# Altium PCB PCB_V2_2023-02-25.pcbdoc
Units mm, origin at the board's own origin, x right, y up, seen from the top; angles counter-clockwise.
Board outline 121.23 x 103.95 mm, 2 copper layers (Top Layer, Bottom Layer); 20 components, 45 nets, 122 pads, 3 vias.
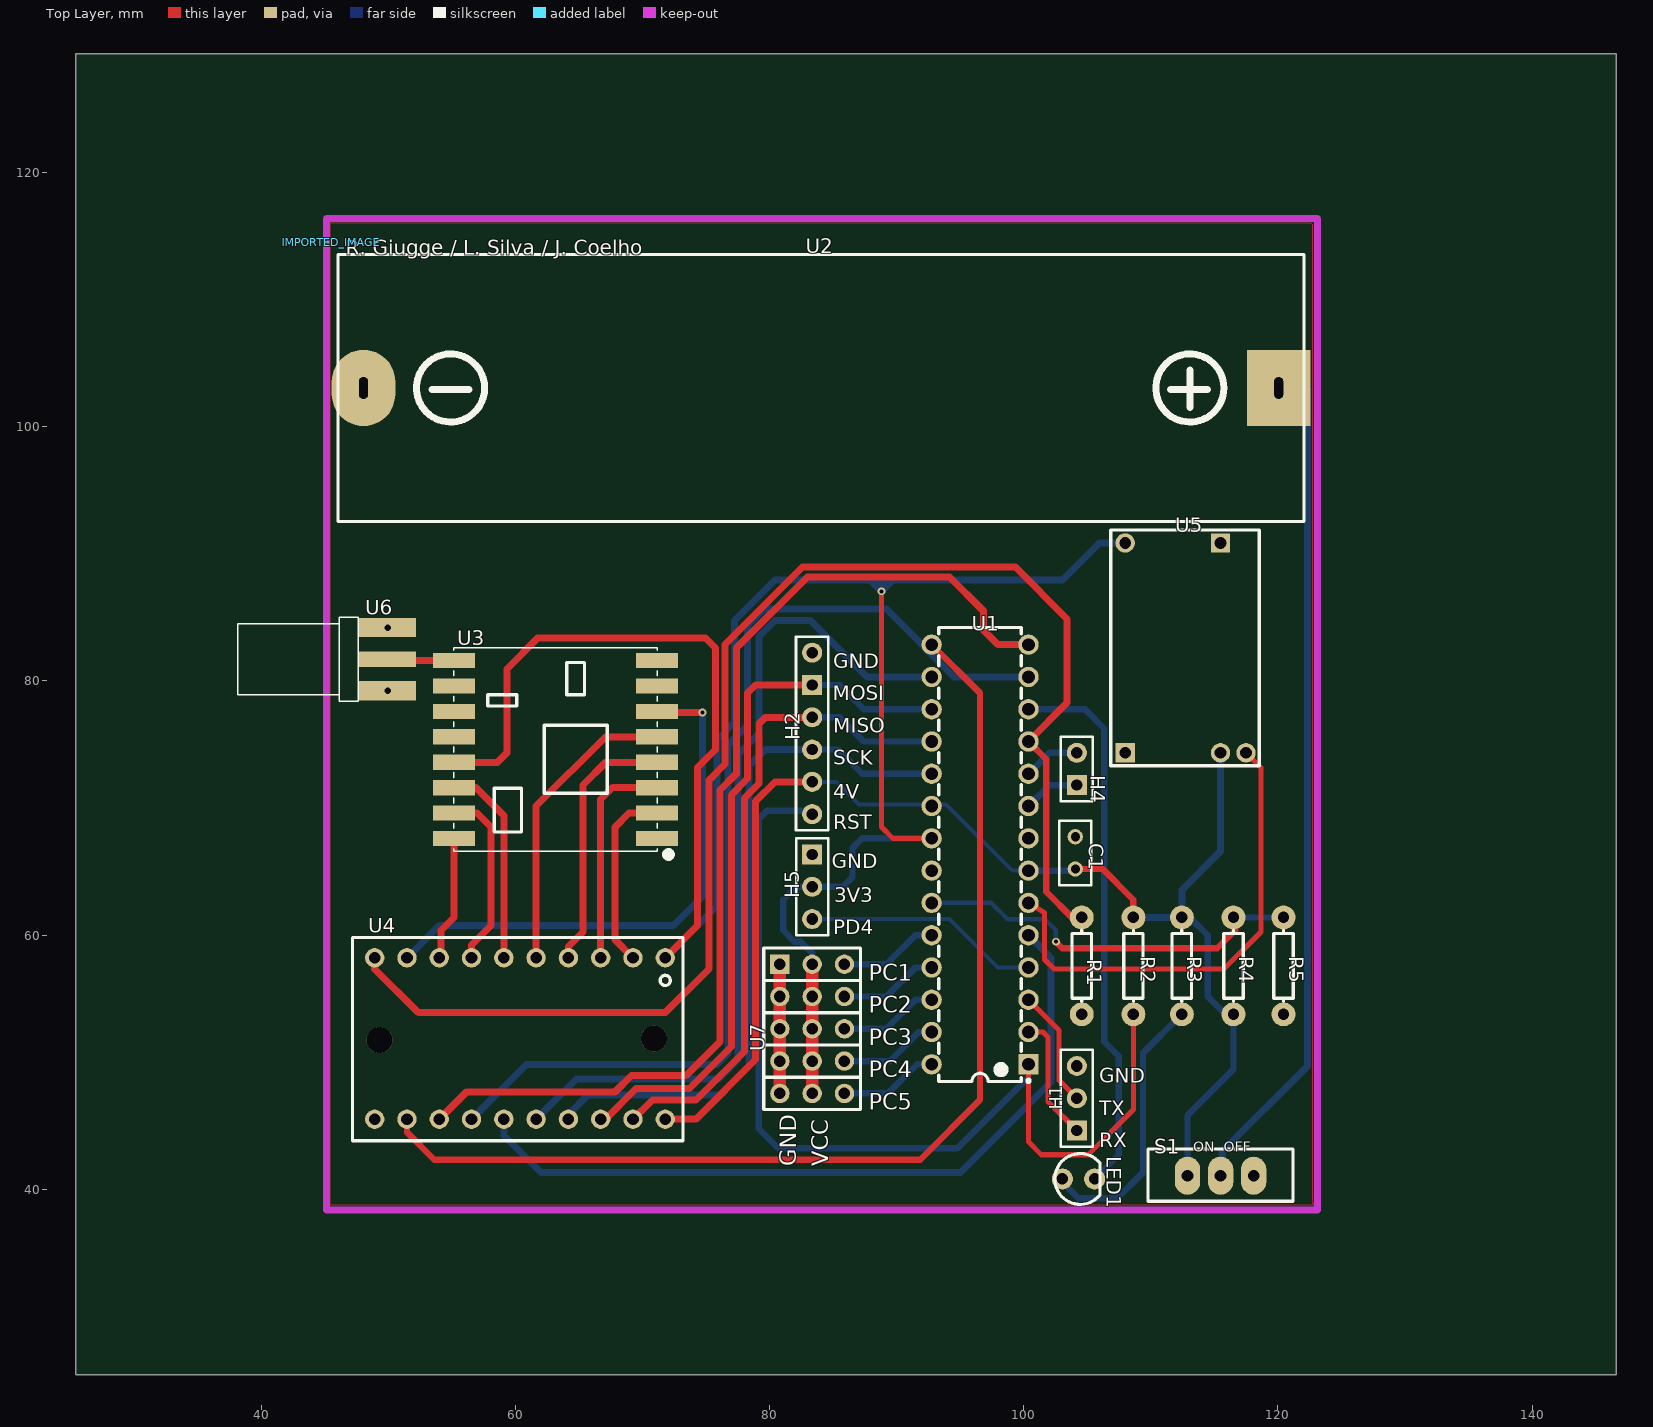
[diagram p0: Top Layer view]
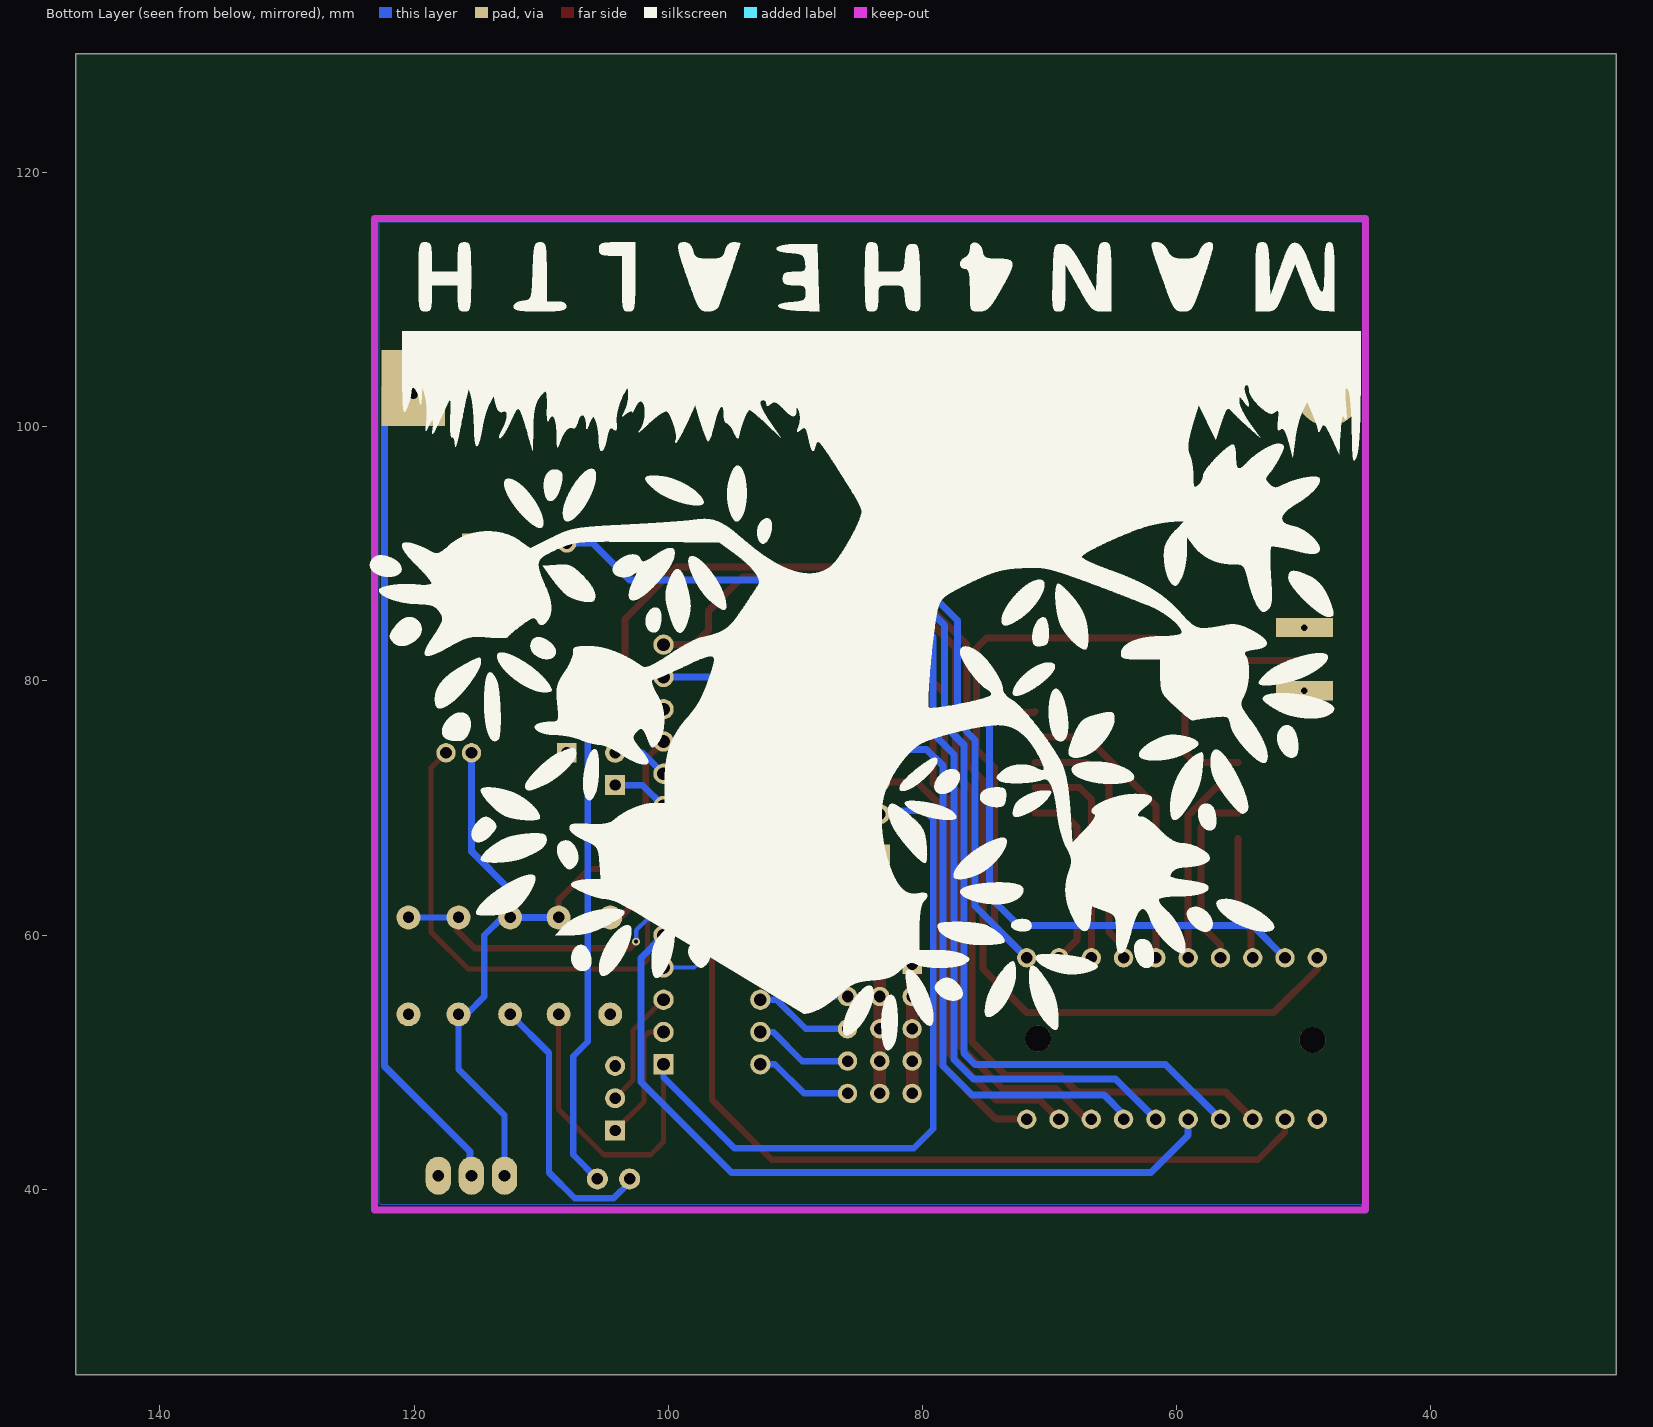
[diagram p1: Bottom Layer view, seen from below]

## Layer stack, top to bottom
Top Layer: signal copper (thickness not stored)
Dielectric: dielectric 0.32, FR-4, Dk 4.8
Bottom Layer: signal copper (thickness not stored)

## Board outline
146.628,25.4 25.4,25.4 25.4,129.35 146.628,129.35

## Components (designator, comment, footprint, x,y, rotation, side; value= is the part's Value field where it differs from the comment)
C1 "100n" RAD-0.1 104.052,66.464 r90 top
H1 "HDR-F-2.54_1x3" HDR-F-2.54_1X3 104.179,47.16 r90 top
H2 "HDR-F-2.54_1x6" HDR-F-2.54_1X6 83.351,77.132 r270 top
H4 "HDR-F-2.54_1x2" HDR-F-2.54_1X2 104.179,73.068 r90 top
H5 "DHT22" HDR-F-2.54_1X3 83.351,63.797 r270 top
IMPORTED_IMAGE "IMPORTED_IMAGE" IMPORTED_IMAGE 45.521,114.493 r0 top
LED1 "LED-TH-3mm_R" LED-TH_BD3.0_RED 104.306,40.81 r90 top
R1 "10k" R_AXIAL-0.3 104.56,57.574 r90 top
R2 "10k" R_AXIAL-0.3 108.624,57.574 r270 top
R3 "330R" R_AXIAL-0.3 112.434,57.574 r270 top
R4 "10k" R_AXIAL-0.3 116.498,57.574 r270 top
R5 "10k" R_AXIAL-0.3 120.435,57.574 r90 top
S1 "TOGGLESWITCH SPST_SWITCH-SPDT COPY" "3-PIN SPDT SLIDE SWITCH" 115.482,41.064 r180 top
U1 "ATMEGA328-PU" DIP-28_L35.0-W6.5-P2.54-LS7.6-BL 96.559,66.337 r90 top
U2 "Bat18650" BAT18650 120.054,103.04 r180 top
U3 "RFM95W" COMM-SMD_RFM95W 63.158,74.592 r180 top
U4 "YF08E_BOARD" YF08E_BOARD 71.794,58.209 r270 top
U5 "Buck-BoostConverter" BUCK-BOOSTCONVERTER 115.482,90.848 r90 top
U6 "SMA" SMA-2 49.95,81.704 r0 top
U7 "Pinheader 15x3 IO VCC GND" "PINHEADER 5X3 IO VCC GND" 85.891,57.701 r0 top

## Footprints (in the part's own frame and the unit in brackets; to place one, negate y for a bottom-side part, rotate by r counter-clockwise, add the part's x,y. Pads: shape width x height; smd on the part's side, far side on the other; paste and mask are expansions set on the pad)
"3-PIN SPDT SLIDE SWITCH" [mm]
  oval 2x3 hole 0.914: 1(-2.6,0) 2(0,0) 3(2.6,0)
  silkscreen extent -5.7,-2.1 5.7,2
BAT18650 [mm]
  rect 5x6 hole 0.7 slot 1.7 at 90 deg: 1(0,0)
  oval 5x6 hole 0.7 slot 1.7 at 90 deg: 2(72,0)
  silkscreen extent -2,-10.5 74,10.5
BUCK-BOOSTCONVERTER [mil]
  rect 60x60 hole 36: 1(-649.6,295.27) 4(0,0)
  round 60 hole 36: 2(-650,0) 3(-650,-78.7) 5(0,295.3)
  silkscreen extent -690,-120 40,340
COMM-SMD_RFM95W [mm]
  rect 3.3x1.2 smd: 1(-8,7) 2(-8,5) 3(-8,3) 4(-8,1) 5(-8,-1) 6(-8,-3) 7(-8,-5) 8(-8,-7) 9(8,-7) 10(8,-5) 11(8,-3) 12(8,-1) 13(8,1) 14(8,3) 15(8,5) 16(8,7)
  silkscreen extent -9.14,-8 8,8.5
DIP-28_L35.0-W6.5-P2.54-LS7.6-BL [mm]
  rect 1.6x1.6 hole 1: 1(-16.51,-3.81)
  round 1.6 hole 1: 2(-13.97,-3.81) 3(-11.43,-3.81) 4(-8.89,-3.81) 5(-6.35,-3.81) 6(-3.81,-3.81) 7(-1.27,-3.81) 8(1.27,-3.81) 9(3.81,-3.81) 10(6.35,-3.81) 11(8.89,-3.81) 12(11.43,-3.81) 13(13.97,-3.81) 14(16.51,-3.81) 15(16.51,3.81) 16(13.97,3.81) 17(11.43,3.81) 18(8.89,3.81) 19(6.35,3.81) 20(3.81,3.81) 21(1.27,3.81) 22(-1.27,3.81) 23(-3.81,3.81) 24(-6.35,3.81) 25(-8.89,3.81) 26(-11.43,3.81) 27(-13.97,3.81) 28(-16.51,3.81)
  silkscreen extent -17.93,-3.93 17.85,3.25
HDR-F-2.54_1X2 [mil]
  rect 62x62 hole 35: 1(-50,0)
  round 62 hole 35: 2(50,0)
  silkscreen extent -100,-49 100,50
HDR-F-2.54_1X3 [mil]
  rect 62x62 hole 35: 1(-100,0)
  round 62 hole 35: 2(0,0)
  round 62 hole 36: 3(100,0)
  silkscreen extent -150,-49 150,50
HDR-F-2.54_1X6 [mil]
  round 62 hole 35: 1(-200,0) 3(0,0) 4(100,0) 5(200,0) 6(300,0)
  rect 62x62 hole 35: 2(-100,0)
  silkscreen extent -250,-50 350,50
IMPORTED_IMAGE [mm]
LED-TH_BD3.0_RED [mil]
  round 65 hole 35.43: 1(0,50) 2(0,-50)
  silkscreen extent -79,-66 79,73
"PINHEADER 5X3 IO VCC GND" [mil]
  round 60 hole 36: 1(0,0) 2(0,-100) 3(0,-200) 4(0,-300) 5(0,-400) 6(-100,0) 28(-100,-300) 29(-100,-200) 30(-100,-100) 31(-100,-400) 32(-200,-400) 33(-200,-100) 34(-200,-200) 35(-200,-300)
  rect 60x60 hole 36: 7(-200,0)
  Top Layer lines w39.37: -200,-400 -200,-300 -200,-200 -200,-100 -200,0 ; -100,-400 -100,-300 -100,-200 -100,-100 -100,0
  silkscreen extent -250,-450 50,50
R_AXIAL-0.3 [mil]
  round 74 hole 35.4: 1(-150,0) 2(150,0)
  silkscreen extent -110,-30 110,30
RAD-0.1 [mil]
  round 47 hole 28: 1(-50,0) 2(50,0)
  silkscreen extent -100,-50 100,50
SMA-2 [mil]
  rect 177x47 smd: 1(0,0)
  rect 177x60 hole 20: 2(0,-98) 2(0,98)
  silkscreen extent -465,-130 -91,130
YF08E_BOARD [mil]
  round 60 hole 35.98: 1(0,0) 2(0,-100) 3(0,-200) 4(0,-300) 5(0,-400) 6(0,-500) 7(0,-600) 8(0,-700) 9(0,-800) 10(0,-900) 11(500,-900) 12(500,-800) 13(500,-700) 14(500,-600) 15(500,-500) 16(500,-400) 17(500,-300) 18(500,-200) 19(500,-100) 20(500,0)
  round 80 hole 80 unplated: ""(250,-35) ""(255,-885)
  silkscreen extent -63,-969 567,55

## Via types
v1: diameter 0.61, hole 0.305, Top Layer to Bottom Layer, tented both sides, 3 vias

## Nets (pads, with @x,y where several pads share a name; then routed paths per layer and width w, separated by ;. In a path a pad name is that pad's centre, name@x,y a point inside that pad or via, vN(x,y) a via of type N, cw(c..) or ccw(c..) an arc to the next point about the centre after c; other vN are vias at no path point)
+3V3: H5.2 U1.21 U3.13 U4.1 U5.5 U7.6 | length 164.5
  Top Layer w0.4: v1(88.812,87.038) 88.812,68.496 89.701,67.607 U1.21
  Top Layer w0.55: U3.13 58.602,73.591 59.348,74.338 59.348,80.942 61.761,83.355 74.969,83.355 75.731,82.593 75.731,74.592 74.334,73.195 74.334,60.749 U4.1
  Bottom Layer w0.5: U7.6 83.351,58.59 82.462,59.479 81.954,59.479 81.065,60.368 81.065,62.781 82.081,63.797 H5.2 85.764,63.797 86.526,64.559 86.526,66.845 87.288,67.607 U1.21
  Bottom Layer w0.55: U4.1 75.858,62.273 75.858,75.354 77.255,76.751 77.255,84.752 80.43,87.927 87.923,87.927 ; 88.937,87.927 88.812,87.802 v1(88.812,87.038) ; U5.5 105.957,90.848 103.036,87.927 89.701,87.927 ; 87.923,87.927 89.701,87.927 ; 87.923,87.927 v1(88.812,87.038) ; v1(88.812,87.038) 89.701,87.927
+4V: C1.1 H2.5 R2.1 R3.1 R4.2 S1.3 U1.7 U1.20 U4.20 U5.2 | length 107.3
  Top Layer w0.5: C1.1 106.211,65.194 108.624,62.781 R2.1
  Top Layer w0.55: U4.20 74.207,45.509 78.906,50.208 78.906,70.528 80.43,72.052 H2.5
  Bottom Layer w0.3: H2.5 85.256,72.052 87.034,70.274 93.892,70.274 99.099,65.067 U1.7
  Bottom Layer w0.5: U1.7 103.925,65.067 C1.1 ; R3.1 113.069,61.384 114.466,59.987 114.466,55.161 115.863,53.764 R4.2 116.498,49.446 112.882,45.83 S1.3
  Bottom Layer w0.55: R2.1 R3.1 112.434,63.543 115.482,66.591 U5.2
DI0_A: U3.14 U4.6 | length 16
  Top Layer w0.55: U3.14 56.887,71.592 59.094,69.385 U4.6
DI0_B: U1.5 U4.15 | length 60.8
  Bottom Layer w0.55: U4.15 59.094,44.239 62.015,41.318 95.035,41.318 102.147,48.43 102.147,58.209 U1.5
DI1_A: U3.15 U4.7 | length 14.3
  Top Layer w0.55: U3.15 56.984,69.591 58.078,68.496 58.078,60.749 56.554,59.225 U4.7
DI1_B: U1.13 U4.14 | length 81.5
  Bottom Layer w0.55: U4.14 60.872,49.827 75.858,49.827 76.747,50.716 76.747,74.973 78.271,76.497 78.271,84.371 79.541,85.641 89.193,85.641 94.527,80.307 U1.13
DI2_A: U3.16 U4.8 | length 9.9
  Top Layer w0.55: U4.8 54.141,58.336 54.141,60.368 55.158,61.385 U3.16
DI2_B: U1.14 U4.13 | length 84.5
  Top Layer w0.55: U4.13 56.173,47.668 67.857,47.668 69.127,48.938 73.445,48.938 76.112,51.605 76.112,71.417 77.382,72.687 77.382,82.593 82.97,88.181 94.146,88.181 96.813,85.514 96.813,83.99 97.956,82.847 U1.14
EN: U1.6 U5.3 | length 38.3
  Top Layer w0.4: U1.6 101.639,61.765 101.639,58.082 102.401,57.32 115.736,57.32 118.657,60.241 118.657,73.162 U5.3
GND: C1.2 H1.3 H2.1 H5.1 R1.1 R5.1 U1.8 U1.22 U2.2 U3.1 U3.8 U3.10 U4.11 U5.1 U5.4 U6.2 U7.7
LED: LED1.2 U1.12 | length 43.3
  Bottom Layer w0.5: U1.12 104.814,77.767 106.338,76.243 106.338,51.605 107.481,50.462 107.481,42.715 LED1.2
MISO_A: U3.2 U4.2 | length 14.6
  Top Layer w0.55: U4.2 67.857,59.606 67.857,68.496 68.953,69.592 U3.2
MISO_B: H2.3 U1.18 U4.19 | length 51.8
  Top Layer w0.55: U4.19 70.778,47.033 74.207,47.033 78.017,50.843 78.017,70.782 79.16,71.925 79.16,76.624 79.668,77.132 H2.3
  Bottom Layer w0.5: H2.3 85.51,77.132 87.415,75.227 U1.18
MOSI_A: U3.3 U4.3 | length 17.3
  Top Layer w0.55: U4.3 66.714,60.876 66.714,70.655 67.651,71.592 U3.3
MOSI_B: H2.2 U1.17 U4.18 | length 56.5
  Top Layer w0.55: U4.18 67.095,45.509 69.508,47.922 73.699,47.922 77.001,51.224 77.001,71.036 78.271,72.306 78.271,79.037 78.906,79.672 H2.2
  Bottom Layer w0.5: H2.2 85.51,79.672 87.415,77.767 U1.17
NSS_A: U3.5 U4.5 | length 23.7
  Top Layer w0.55: U4.5 61.634,70.147 67.079,75.592 U3.5
NSS_B: U1.16 U4.16 | length 67.7
  Bottom Layer w0.55: U4.16 64.809,48.684 75.985,48.684 77.509,50.208 77.509,74.211 79.16,75.862 79.16,83.482 80.43,84.752 83.224,84.752 87.669,80.307 U1.16
OE: R1.2 U1.11 U4.10 | length 114.1
  Top Layer w0.5: U1.11 101.766,73.83 101.766,63.416 103.798,61.384 R1.2
  Top Layer w0.55: U4.10 48.934,57.32 52.363,53.891 71.794,53.891 75.223,57.32 75.223,72.179 76.493,73.449 76.493,82.847 82.589,88.943 99.353,88.943 103.417,84.879 103.417,78.275 U1.11
PC0: R4.1 R5.2 U1.23 | length 31.5
  Top Layer w0.5: v1(102.528,59.479) 103.036,58.971 115.228,58.971 116.625,60.368 116.625,61.257 R4.1
  Bottom Layer w0.35: U1.23 97.448,62.527 98.718,61.257 101.639,61.257 102.528,60.368 v1(102.528,59.479)
  Bottom Layer w0.5: R4.1 R5.2
PD2: H5.3 U1.4 | length 18.6
  Bottom Layer w0.3: H5.3 94.146,61.257 97.956,57.447 U1.4
R3_2: LED1.1 R3.2 | length 21.7
  Bottom Layer w0.5: LED1.1 103.036,40.556 104.306,39.286 107.354,39.286 109.386,41.318 109.386,50.716 R3.2
RST: H2.6 R2.2 U1.1 | length 77.9
  Top Layer w0.4: U1.1 100.369,43.731 101.385,42.715 105.068,42.715 108.624,46.271 R2.2
  Bottom Layer w0.5: H2.6 83.097,69.766 79.795,69.766 79.16,69.131 79.16,44.747 80.684,43.223 94.781,43.223 100.369,48.811 U1.1
RST_A: U3.6 U4.9 | length 43.3
  Top Layer w0.55: U3.6 71.237,77.513 v1(74.715,77.513)
  Bottom Layer w0.55: U4.9 54.014,60.749 72.429,60.749 74.715,63.035 v1(74.715,77.513)
RST_B: U1.15 U4.12 | length 86.3
  Top Layer w0.5: U4.12 51.474,44.493 53.633,42.334 91.86,42.334 96.559,47.033 96.559,79.037 U1.15
RX: H1.1 U1.2 | length 10
  Top Layer w0.4: U1.2 101.512,52.367 101.893,51.986 101.893,46.906 H1.1
S1_1: S1.1
S$29: 
S$6071: 
S$7241: 
S$7548: 
SCK_A: U3.4 U4.4 | length 20.6
  Top Layer w0.55: U4.4 64.174,59.098 65.317,60.241 65.317,71.798 67.111,73.592 U3.4
SCK_B: H2.4 U1.19 U4.17 | length 55.5
  Bottom Layer w0.5: H2.4 85.383,74.592 87.288,72.687 U1.19
  Bottom Layer w0.55: U4.17 64.174,45.89 65.698,47.414 76.112,47.414 78.398,49.7 78.398,73.322 79.668,74.592 H2.4
TX: H1.2 U1.3 | length 9.3
  Top Layer w0.4: U1.3 102.782,52.494 102.782,48.557 H1.2
U1_24: U1.24 U7.1 | length 7.8
  Bottom Layer w0.5: U7.1 89.193,57.701 91.479,59.987 U1.24
U1_25: U1.25 U7.2 | length 7.8
  Bottom Layer w0.5: U7.2 89.193,55.161 91.479,57.447 U1.25
U1_26: U1.26 U7.3 | length 7.8
  Bottom Layer w0.5: U7.3 89.193,52.621 91.479,54.907 U1.26
U1_27: U1.27 U7.4 | length 7.8
  Bottom Layer w0.5: U7.4 89.447,50.081 91.733,52.367 U1.27
U1_28: U1.28 U7.5 | length 7.8
  Bottom Layer w0.5: U7.5 89.32,47.541 91.606,49.827 U1.28
U2_1: S1.2 U2.1 | length 67.1
  Bottom Layer w0.55: S1.2 115.609,41.191 115.609,42.969 122.34,49.7 122.34,103.04 U2.1
U3_7: U3.7
U3_9: U3.9 U6.1 | length 5.3
  Top Layer w0.55: U6.1 50.062,81.592 U3.9
U3_11: U3.11
U3_12: U3.12
XTL1: H4.1 U1.9 | length 4.5
  Bottom Layer w0.5: U1.9 102.02,71.798 H4.1
XTL2: H4.2 U1.10 | length 4.5
  Bottom Layer w0.5: U1.10 102.02,74.338 H4.2
pads on no net: U4. U7.28 U7.29 U7.30 U7.31 U7.32 U7.33 U7.34 U7.35

## Polygon pours and split planes (outlines as drawn)
GND on Bottom Layer (solid): 45.378,38.651 45.505,38.778 122.594,38.778 122.721,38.905 122.721,116.121 45.378,116.121 45.378,38.778 45.505,38.778
GND on Top Layer (solid): 45.378,38.778 122.848,38.778 122.721,38.905 122.721,115.867 122.594,115.994 45.378,115.994 45.378,38.778

## Silkscreen, mask and mechanical layers (free items; w line width, h text height)
Top Overlay:
  circle w0.55: c54.903,103.04 r2.679
  circle w0.55: c113.069,103.04 r2.679
  lines w0.55 net S$6071: 53.443,102.913 56.364,102.913 ; 111.545,102.913 114.466,102.913 ; 113.069,101.516 113.069,104.437
  text "R. Giugge / L. Silva / J. Coelho" at 46.648,113.517 h1.14
  text "GND" at 85.002,81.005 h1.14
  text "MOSI" at 84.979,78.465 h1.14
  text "MISO" at 84.997,75.925 h1.14
  text "SCK" at 84.997,73.385 h1.14
  text "4V" at 84.997,70.718 h1.14
  text "RST" at 85.002,68.305 h1.14
  text "GND" at 84.887,65.257 h1.14
  text "3V3" at 85.091,62.59 h1.14
  text "PD4" at 85.002,60.05 h1.14
  text "GND" at 105.957,48.366 h1.14
  text "TX" at 105.957,45.826 h1.14
  text "RX" at 105.957,43.286 h1.14

## Text inside footprints (layer, text, board x,y; h text height)
S1: Top Overlay "ON  OFF" at 113.323,42.95 h0.8
U7: Top Overlay "PC1" at 87.796,56.416 h1.3; Top Overlay "PC2" at 87.796,53.876 h1.3; Top Overlay "PC3" at 87.796,51.336 h1.3; Top Overlay "PC4" at 87.796,48.796 h1.3; Top Overlay "PC5" at 87.796,46.256 h1.3; Top Overlay "VCC" at 84.636,41.826 h1.3 r90; Top Overlay "GND" at 82.096,41.826 h1.3 r90